# Altium PCB LED_12T-V2.0拼.PcbDoc (part 2 of 3)
Units mm, origin at the board's own origin, x right, y up, seen from the top; angles counter-clockwise.
Board outline 152.4 x 101.6 mm, 2 copper layers (Top Layer, Bottom Layer); 148 components, 0 nets, 404 pads, 276 vias.
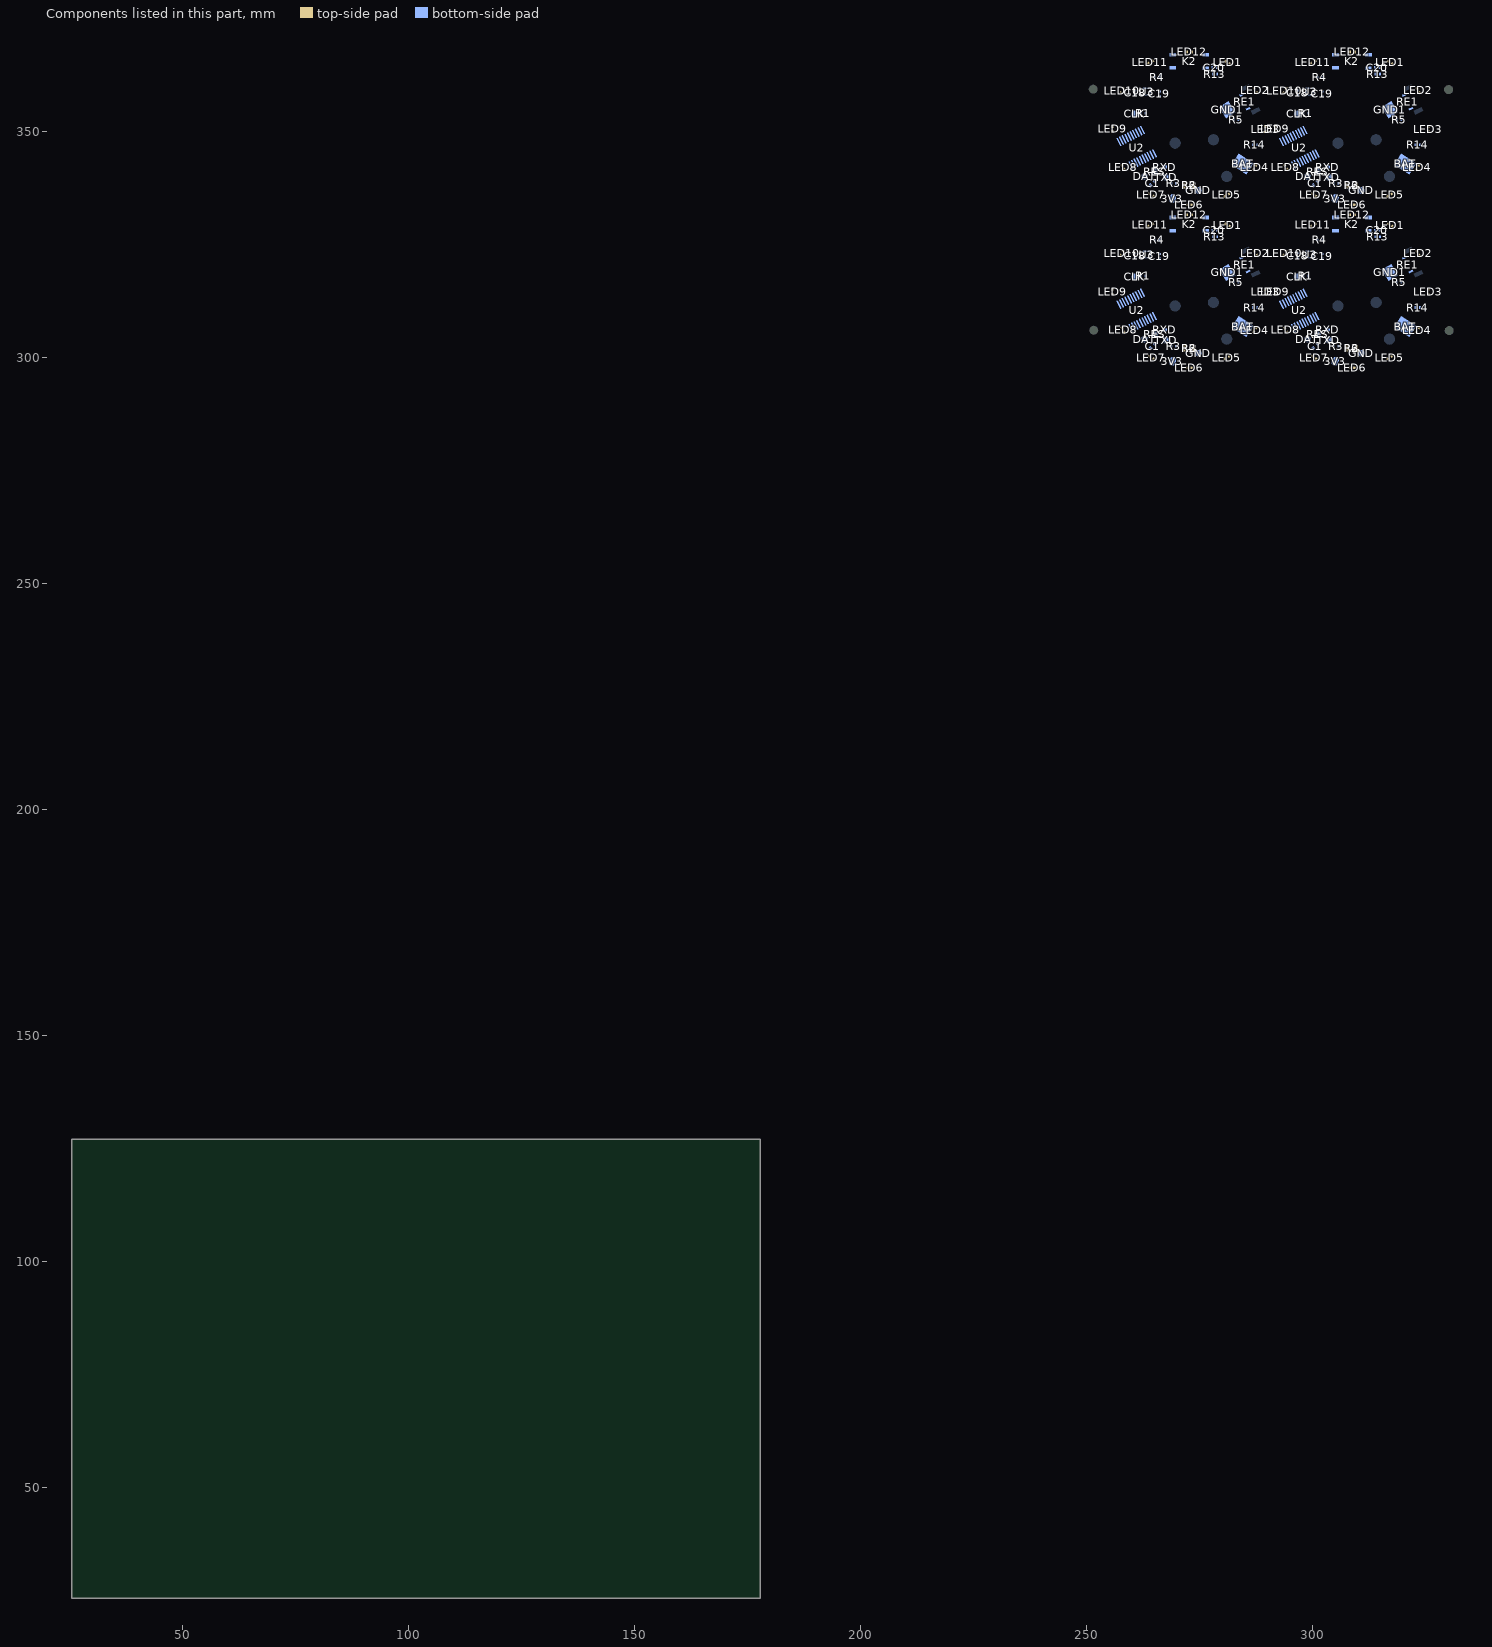
[diagram p2: the components of this part, seen from the top]

## Via types
v1: diameter 0.5, hole 0.3, Top Layer to Bottom Layer, 220 vias
v2: diameter 1.2, hole 0.7, Top Layer to Bottom Layer, 32 vias
v3: diameter 0.7, hole 0.7, Top Layer to Bottom Layer, 24 vias

## Nets (pads, with @x,y where several pads share a name; then routed paths per layer and width w, separated by ;. In a path a pad name is that pad's centre, name@x,y a point inside that pad or via, vN(x,y) a via of type N, cw(c..) or ccw(c..) an arc to the next point about the centre after c; other vN are vias at no path point) (continued)
copper on no net: (continued)
  Bottom Layer w0.25: 257.116,311.623 256.81,311.623 256.81,317.614 258.918,319.722 258.918,323.56 260.392,325.033 264.151,325.033 264.726,324.458 264.726,323.306 264.405,322.985 264.084,322.985 ; 257.116,347.623 256.81,347.623 256.81,353.614 258.918,355.722 258.918,359.56 260.392,361.033 264.151,361.033 264.726,360.458 264.726,359.306 264.405,358.985 264.084,358.985 ; v1(257.572,309.31) 259.81,309.31 260.259,309.759 263.452,309.759 263.744,310.051 264.602,310.051 264.961,309.691 264.961,309.111 265.675,308.397 v1(265.675,307.888) ; v1(257.572,345.31) 259.81,345.31 260.259,345.759 263.452,345.759 263.744,346.051 264.602,346.051 264.961,345.691 264.961,345.111 265.675,344.397 v1(265.675,343.888) ; v1(257.588,319.501) 257.588,319.543 258.254,320.209 258.254,323.771 259.093,324.611 v1(259.093,324.892) ; v1(257.588,355.501) 257.588,355.543 258.254,356.209 258.254,359.771 259.093,360.611 v1(259.093,360.892) ; 257.695,311.918 258.07,310.911 v1(258.537,310.606) ; 257.695,347.918 258.07,346.911 v1(258.537,346.606) ; 257.885,313.042 257.352,313.575 257.352,317.296 260.263,320.207 260.958,320.207 260.967,320.198 268.799,320.198 272.206,323.605 277.298,323.605 v1@278.215,324.523 ; 257.885,349.042 257.352,349.575 257.352,353.296 260.263,356.207 260.958,356.207 260.967,356.198 268.799,356.198 272.206,359.605 277.298,359.605 v1@278.215,360.523 ; v1@258.008,315.552 258.804,315.552 260.124,314.232 260.124,314.213 ; v1@258.008,351.552 258.804,351.552 260.124,350.232 260.124,350.213 ; v1(258.508,317.447) 258.508,317.589 260.27,319.351 ; v1(258.508,353.447) 258.508,353.589 260.27,355.351 ; v1@258.537,317.585 260.699,319.747 269.001,319.747 ; v1@258.537,353.585 260.699,355.747 269.001,355.747 ; 258.853,312.508 259.228,311.764 259.922,311.368 260.379,310.911 262.373,310.911 v1(262.5,310.784) ; 258.853,348.508 259.228,347.764 259.922,347.368 260.379,346.911 262.373,346.911 v1(262.5,346.784) ; 259.432,312.803 259.807,312.068 259.858,312.068 260.566,311.361 263.066,311.361 ; 259.432,348.803 259.807,348.068 259.858,348.068 260.566,347.361 263.066,347.361 ; 259.749,306.455 258.345,306.455 256.785,308.015 256.785,309.514 257.242,309.971 258.944,309.971 259.182,310.209 263.075,310.209 263.574,310.707 266.939,310.707 270.272,307.374 270.272,301.817 269.028,301.817 268.741,302.104 268.741,302.464 ; 259.749,342.455 258.345,342.455 256.785,344.015 256.785,345.514 257.242,345.971 258.944,345.971 259.182,346.209 263.075,346.209 263.574,346.707 266.939,346.707 270.272,343.374 270.272,337.817 269.028,337.817 268.741,338.104 268.741,338.464 ; v1(259.782,321.121) 259.782,323.534 260.646,324.398 263.092,324.398 263.575,323.915 263.575,323.494 ; v1(259.782,357.121) 259.782,359.534 260.646,360.398 263.092,360.398 263.575,359.915 263.575,359.494 ; 260.012,313.098 260.386,312.323 260.899,311.811 262.76,311.811 263.327,312.377 ; 260.012,349.098 260.386,348.323 260.899,347.811 262.76,347.811 263.327,348.377 ; 260.328,306.75 260.671,306.407 260.671,305.78 ; 260.328,342.75 260.671,342.407 260.671,341.78 ; v1(260.341,309.006) 262.27,309.006 262.645,307.93 ; v1(260.341,345.006) 262.27,345.006 262.645,343.93 ; 260.48,317.214 260.721,316.974 260.721,314.429 ; 260.48,353.214 260.721,352.974 260.721,350.429 ; 260.591,313.393 260.965,312.628 ; 260.591,349.393 260.965,348.628 ; 260.671,302.681 260.671,305.78 ; 260.671,338.681 260.671,341.78 ; 260.693,323.041 260.91,323.041 261.219,323.351 261.807,323.351 262.081,323.077 ; 260.693,359.041 260.91,359.041 261.219,359.351 261.807,359.351 262.081,359.077 ; 260.701,322.995 261.331,322.995 ; 260.701,358.995 261.331,358.995 ; 260.702,321.992 261.306,321.992 ; 260.702,357.992 261.306,357.992 ; 260.735,305.715 260.735,305.951 ; 260.735,341.715 260.735,341.951 ; 260.782,321.936 261.011,321.936 261.334,321.614 ; 260.782,357.936 261.011,357.936 261.334,357.614 ; 260.827,303.298 262.107,302.017 263.431,302.017 ; 260.827,339.298 262.107,338.017 263.431,338.017 ; v1(260.925,305.526) 260.671,305.78 ; v1(260.925,341.526) 260.671,341.78 ; 261.038,322.909 261.272,323.143 v1@261.467,323.143 ; 261.038,358.909 261.272,359.143 v1@261.467,359.143 ; 261.135,323.13 261.896,323.13 ; 261.135,359.13 261.896,359.13 ; 261.17,313.688 260.823,314.423 260.823,317.007 261.027,317.21 261.306,317.21 261.984,317.413 261.984,317.995 261.984,318.119 ; 261.17,349.688 260.823,350.423 260.823,353.007 261.027,353.21 261.306,353.21 261.984,353.413 261.984,353.995 261.984,354.119 ; 261.229,311.811 262.768,311.811 271.731,320.774 v1@274.106,320.774 ; 261.229,347.811 262.768,347.811 271.731,356.774 v1@274.106,356.774 ; 261.355,321.619 261.604,321.619 261.796,321.811 ; 261.355,357.619 261.604,357.619 261.796,357.811 ; v1(261.408,316.6) 261.408,314.718 261.749,313.983 ; v1(261.408,352.6) 261.408,350.718 261.749,349.983 ; v1@261.417,321.881 261.306,321.992 ; v1@261.417,357.881 261.306,357.992 ; v1(261.56,323.223) 261.331,322.995 ; v1(261.56,359.223) 261.331,358.995 ; v1(262.159,321.223) 262.398,321.223 263.074,321.477 263.074,321.976 ; v1(262.159,357.223) 262.398,357.223 263.074,357.477 263.074,357.976 ; 262.253,302.573 263.059,302.681 263.8,301.94 ; 262.253,338.573 263.059,338.681 263.8,337.94 ; 262.328,314.278 262.667,314.278 ; 262.328,350.278 262.667,350.278 ; 262.437,314.24 263.307,314.24 ; 262.437,350.24 263.307,350.24 ; 262.473,304.31 262.822,304.31 v1@262.822,304.033 ; 262.473,340.31 262.822,340.31 v1@262.822,340.033 ; 262.503,302.523 263.907,302.523 264.105,302.325 ; 262.503,338.523 263.907,338.523 264.105,338.325 ; 262.573,322.482 262.573,322.722 262.576,322.724 262.576,322.985 261.62,322.985 261.611,322.995 261.331,322.995 ; 262.573,358.482 262.573,358.722 262.576,358.724 262.576,358.985 261.62,358.985 261.611,358.995 261.331,358.995 ; 262.576,321.97 261.633,321.97 261.611,321.992 261.306,321.992 ; 262.576,357.97 261.633,357.97 261.611,357.992 261.306,357.992 ; 262.664,314.073 262.686,314.051 263.156,314.051 ; 262.664,350.073 262.686,350.051 263.156,350.051 ; 262.751,313.495 262.756,313.495 269,319.738 ; 262.751,349.495 262.756,349.495 269,355.738 ; 262.821,313.792 262.821,313.855 ; 262.821,349.792 262.821,349.855 ; 262.874,311.359 263.27,311.359 272.093,320.182 274.698,320.182 v1@275.044,320.529 ; 262.874,347.359 263.27,347.359 272.093,356.182 274.698,356.182 v1@275.044,356.529 ; 262.907,313.878 262.907,313.898 ; 262.907,349.878 262.907,349.898 ; 262.978,317.994 262.978,316.626 v1(262.982,315.61) ; 262.978,353.994 262.978,352.626 v1(262.982,351.61) ; 263.074,323.492 263.074,323.103 263.689,322.487 264.082,322.487 265.354,322.487 265.687,322.821 ; 263.074,359.492 263.074,359.103 263.689,358.487 264.082,358.487 265.354,358.487 265.687,358.821 ; v1@263.23,325.919 263.246,325.935 265.122,325.935 ; v1@263.23,361.919 263.246,361.935 265.122,361.935 ; 263.24,308.221 264.274,306.271 264.94,305.024 264.947,305.011 264.984,305.011 v1@265.062,305.089 ; 263.24,344.221 264.274,342.271 264.94,341.024 264.947,341.011 264.984,341.011 v1@265.062,341.089 ; v1@263.246,326.098 263.279,326.131 265.016,326.131 265.048,326.098 265.056,326.098 ; v1@263.246,362.098 263.279,362.131 265.016,362.131 265.048,362.098 265.056,362.098 ; v1@263.287,325.813 264.967,325.813 265.024,325.756 ; v1@263.287,361.813 264.967,361.813 265.024,361.756 ; 263.517,301.941 263.8,301.94 ; 263.517,337.941 263.8,337.94 ; 263.555,307.488 264.265,305.792 v1@264.947,305.11 ; 263.555,343.488 264.265,341.792 v1@264.947,341.11 ; 263.803,308.52 264.202,307.785 264.526,307.461 264.526,306.866 265.041,306.351 265.636,306.351 265.91,306.077 267.311,306.077 v1(268.062,306.828) ; 263.803,344.52 264.202,343.785 264.526,343.461 264.526,342.866 265.041,342.351 265.636,342.351 265.91,342.077 267.311,342.077 v1(268.062,342.828) ; v1@263.998,324.399 264.088,324.309 264.088,323.532 ; v1@263.998,360.399 264.088,360.309 264.088,359.532 ; 264.017,303.968 264.017,303.976 264.288,303.976 264.288,303.773 265.085,302.976 ; 264.017,339.968 264.017,339.976 264.288,339.976 264.288,339.773 265.085,338.976 ; v1@264.043,324.503 264.166,324.38 264.166,323.532 264.179,323.519 264.166,323.519 ; v1@264.043,360.503 264.166,360.38 264.166,359.532 264.179,359.519 264.166,359.519 ; 264.075,321.97 264.989,321.97 265.141,321.818 266.082,321.818 ; 264.075,357.97 264.989,357.97 265.141,357.818 266.082,357.818 ; 264.081,323.497 264.081,323.922 264.151,323.992 ; 264.081,359.497 264.081,359.922 264.151,359.992 ; 264.089,322.487 264.102,322.5 264.866,322.5 265.233,322.867 v1@265.233,322.871 ; 264.089,358.487 264.102,358.5 264.866,358.5 265.233,358.867 v1@265.233,358.871 ; 264.107,301.996 264.442,301.996 264.442,301.939 264.107,301.94 263.8,301.94 ; 264.107,337.996 264.442,337.996 264.442,337.939 264.107,337.94 263.8,337.94 ; 264.166,303.832 264.545,303.832 265.07,303.306 ; 264.166,339.832 264.545,339.832 265.07,339.306 ; 264.382,308.816 264.382,308.675 264.684,307.964 v1@265.395,307.253 ; 264.382,344.816 264.382,344.675 264.684,343.964 v1@265.395,343.253 ; 265.074,303.188 265.211,303.188 267.209,301.19 ; 265.074,339.188 265.211,339.188 267.209,337.19 ; 265.161,308.755 265.585,307.961 v1@265.597,307.967 ; 265.161,344.755 265.585,343.961 v1@265.597,343.967 ; v1@265.252,322.839 267.783,325.37 277.344,325.37 277.804,325.83 277.804,326.552 ; v1@265.252,358.839 267.783,361.37 277.344,361.37 277.804,361.83 277.804,362.552 ; v1(265.322,322.821) 265.687,322.821 ; v1(265.322,358.821) 265.687,358.821 ; v1@265.453,322.816 265.502,322.816 266.676,323.99 ; v1@265.453,358.816 265.502,358.816 266.676,359.99 ; 265.497,308.432 265.585,308.167 ; 265.497,344.432 265.585,344.167 ; 265.561,303.021 267.503,301.079 ; 265.561,339.021 267.503,337.079 ; 265.566,300.333 265.612,300.379 265.956,300.379 266.059,300.276 266.185,300.276 ; 265.566,336.333 265.612,336.379 265.956,336.379 266.059,336.276 266.185,336.276 ; 265.885,322.954 265.917,322.954 266.977,324.014 ; 265.885,358.954 265.917,358.954 266.977,360.014 ; 266.023,322.84 266.023,322.848 267.287,324.112 ; 266.023,358.84 266.023,358.848 267.287,360.112 ; v1@266.03,313.084 266.03,313.314 v1@270.163,317.448 ; v1@266.03,349.084 266.03,349.314 v1@270.163,353.448 ; v1(266.065,324.983) 266.115,325.032 266.115,325.95 ; v1(266.065,360.983) 266.115,361.032 266.115,361.95 ; 266.081,322.821 265.687,322.821 ; 266.081,358.821 265.687,358.821 ; 266.122,321.733 266.122,321.819 ; 266.122,357.733 266.122,357.819 ; 266.249,321.699 269.326,324.776 v1@276.87,324.776 ; 266.249,357.699 269.326,360.776 v1@276.87,360.776 ; v1(266.361,309.641) 268.647,307.355 268.647,305.881 269.734,304.794 269.734,302.464 ; v1(266.361,345.641) 268.647,343.355 268.647,341.881 269.734,340.794 269.734,338.464 ; 266.586,323.955 266.635,323.955 266.812,324.133 ; 266.586,359.955 266.635,359.955 266.812,360.133 ; 266.629,324.182 267.21,324.182 ; 266.629,360.182 267.21,360.182 ; 266.711,323.945 266.711,324.06 267.909,325.258 ; 266.711,359.945 266.711,360.06 267.909,361.258 ; 266.837,323.765 266.941,323.765 267.455,324.28 ; 266.837,359.765 266.941,359.765 267.455,360.28 ; 266.882,324.084 266.98,324.084 268.211,325.315 ; 266.882,360.084 266.98,360.084 268.211,361.315 ; 266.89,323.978 267.143,323.978 268.562,325.397 ; 266.89,359.978 267.143,359.978 268.562,361.397 ; 267.534,330.054 268.388,330.908 268.971,330.908 ; 267.534,366.054 268.388,366.908 268.971,366.908 ; 268.189,303.926 268.26,303.855 ; 268.189,339.926 268.26,339.855 ; 268.701,330.986 268.68,330.986 268.523,331.143 268.253,331.143 267.42,330.31 267.42,327.349 267.776,326.993 275.463,326.993 275.861,326.595 ; 268.701,366.986 268.68,366.986 268.523,367.143 268.253,367.143 267.42,366.31 267.42,363.349 267.776,362.993 275.463,362.993 275.861,362.595 ; 268.735,299.387 276.006,299.387 277.01,300.39 282.74,306.12 ; 268.735,335.387 276.006,335.387 277.01,336.39 282.74,342.12 ; 268.772,300.234 268.772,300.217 265.522,300.217 263.8,301.94 ; 268.772,336.234 268.772,336.217 265.522,336.217 263.8,337.94 ; 268.984,328.085 269.182,328.283 272.362,328.283 275.209,331.13 276.054,331.13 ; 268.984,364.085 269.182,364.283 272.362,364.283 275.209,367.13 276.054,367.13 ; 269.022,328.026 272.285,328.026 274.43,330.171 ; 269.022,364.026 272.285,364.026 274.43,366.171 ; 269.038,330.931 268.215,330.931 267.531,330.248 267.531,327.417 267.782,327.167 273.981,327.167 274.783,327.969 ; 269.038,366.931 268.215,366.931 267.531,366.248 267.531,363.417 267.782,363.167 273.981,363.167 274.783,363.969 ; 269.059,319.769 271.156,321.866 276.661,321.866 280.235,325.44 286.055,325.44 286.061,325.433 ; 269.059,355.769 271.156,357.866 276.661,357.866 280.235,361.44 286.055,361.44 286.061,361.433 ; 269.231,299.912 269.419,299.871 ; 269.231,335.912 269.419,335.871 ; 269.234,319.165 271.442,321.374 276.908,321.374 v1@279.998,324.464 ; 269.234,355.165 271.442,357.374 276.908,357.374 v1@279.998,360.464 ; 269.242,310.626 269.623,310.245 271.022,310.245 271.359,309.909 ; 269.242,346.626 269.623,346.245 271.022,346.245 271.359,345.909 ; 269.307,305.196 269.354,305.148 269.354,303.273 269.468,303.159 v1@269.468,303.149 ; 269.308,327.826 269.339,327.795 272.027,327.795 272.415,328.184 ; 269.307,341.196 269.354,341.148 269.354,339.273 269.468,339.159 v1@269.468,339.149 ; 269.308,363.826 269.339,363.795 272.027,363.795 272.415,364.184 ; 269.33,319.288 268.439,318.398 268.422,318.398 262.285,312.261 261.362,312.261 ; 269.33,355.288 268.439,354.398 268.422,354.398 262.285,348.261 261.362,348.261 ; 269.459,328.066 272.107,328.066 272.208,328.167 ; 269.459,364.066 272.107,364.066 272.208,364.167 ; 269.487,305.016 269.515,304.987 v1@269.515,303.443 ; 269.487,341.016 269.515,340.987 v1@269.515,339.443 ; v1(269.506,303.339) 269.563,303.282 v1@269.714,303.282 ; v1(269.506,339.339) 269.563,339.282 v1@269.714,339.282 ; v1@269.515,303.396 269.515,302.95 269.667,302.799 269.667,302.581 ; v1@269.515,339.396 269.515,338.95 269.667,338.799 269.667,338.581 ; 269.661,310.798 270.51,310.798 272.042,309.265 272.042,304.266 271.276,303.5 271.276,303.37 ; 269.661,346.798 270.51,346.798 272.042,345.265 272.042,340.266 271.276,339.5 271.276,339.37 ; v1(269.683,309.508) 270.839,308.352 v1(270.839,305.702) ; v1(269.683,345.508) 270.839,344.352 v1(270.839,341.702) ; v1@270.315,322.463 271.964,324.112 276.954,324.112 278.723,325.881 279.428,325.881 v1@281.645,328.097 ; v1@270.315,358.463 271.964,360.112 276.954,360.112 278.723,361.881 279.428,361.881 v1@281.645,364.097 ; 270.34,310.493 270.482,310.351 270.845,310.351 ; 270.34,346.493 270.482,346.351 270.845,346.351 ; 270.491,310.573 270.642,310.422 270.642,310.36 ; 270.491,346.573 270.642,346.422 270.642,346.36 ; 270.888,303.287 270.888,302.138 271.125,301.901 271.362,301.901 271.562,302.101 ; 270.888,339.287 270.888,338.138 271.125,337.901 271.362,337.901 271.562,338.101 ; v1@270.899,303.68 270.899,303.244 271.41,302.733 271.41,302.619 ; v1@270.899,339.68 270.899,339.244 271.41,338.733 271.41,338.619 ; 270.915,302.267 270.915,301.682 271.135,301.462 271.396,301.462 271.534,301.601 271.552,301.601 ; 270.915,338.267 270.915,337.682 271.135,337.462 271.396,337.462 271.534,337.601 271.552,337.601 ; v1@271.003,303.742 271.003,303.753 271.014,303.764 271.415,303.764 ; v1@271.003,339.742 271.003,339.753 271.014,339.764 271.415,339.764 ; v1(271.012,303.652) 271.012,303.424 271.562,302.875 271.562,302.581 ; v1(271.012,339.652) 271.012,339.424 271.562,338.875 271.562,338.581 ; 271.089,301.723 271.1,301.711 271.401,301.711 ; 271.089,337.723 271.1,337.711 271.401,337.711 ; v1@271.116,303.595 271.581,303.131 271.581,302.894 ; v1@271.116,339.595 271.581,339.131 271.581,338.894 ; 271.125,302.005 271.125,303.094 271.132,303.101 ; 271.125,338.005 271.125,339.094 271.132,339.101 ; v1(271.187,331.485) v1(274.438,331.485) ; v1(271.187,367.485) v1(274.438,367.485) ; 271.258,301.975 271.258,302.931 271.273,302.946 ; 271.258,337.975 271.258,338.931 271.273,338.946 ; 271.371,302.642 271.371,302.675 271.564,302.868 271.564,303.753 ; 271.371,338.642 271.371,338.675 271.564,338.868 271.564,339.753 ; 271.448,303.517 271.454,303.511 271.454,303.462 ; 271.448,339.517 271.454,339.511 271.454,339.462 ; 273.392,301.166 274.119,301.893 274.119,302.066 ; 273.392,337.166 274.119,337.893 274.119,338.066 ; 273.683,327.969 274.783,327.969 ; 273.683,363.969 274.783,363.969 ; 273.783,301.242 274.011,301.242 274.217,301.448 ; 273.783,337.242 274.011,337.242 274.217,337.448 ; 273.895,302.08 273.904,302.08 ; 273.895,302.421 273.904,302.421 ; 273.895,338.08 273.904,338.08 ; 273.895,338.421 273.904,338.421 ; 273.924,301.361 273.935,301.35 273.935,301.318 ; 273.924,337.361 273.935,337.35 273.935,337.318 ; 273.969,329.634 273.992,329.658 v1@274.963,329.658 ; 273.969,365.634 273.992,365.658 v1@274.963,365.658 ; 274.027,302.09 274.113,302.09 274.207,302.09 ; 274.027,338.09 274.113,338.09 274.207,338.09 ; 274.086,329.815 v1@274.806,329.815 ; 274.086,365.815 v1@274.806,365.815 ; 274.179,302.203 274.179,302.198 274.255,302.198 274.285,302.168 274.207,302.09 ; 274.179,338.203 274.179,338.198 274.255,338.198 274.285,338.168 274.207,338.09 ; 274.321,301.843 274.321,301.872 274.33,301.872 ; 274.321,337.843 274.321,337.872 274.33,337.872 ; 274.368,302.09 274.318,302.09 274.207,302.09 ; 274.368,338.09 274.318,338.09 274.207,338.09 ; 274.399,329.987 274.423,329.963 274.642,329.963 ; 274.399,365.987 274.423,365.963 274.642,365.963 ; 274.52,301.578 274.52,301.588 274.52,301.871 274.311,302.08 274.198,302.08 ; 274.52,337.578 274.52,337.588 274.52,337.871 274.311,338.08 274.198,338.08 ; 274.556,330.049 275.503,330.997 275.558,330.997 ; 274.556,366.049 275.503,366.997 275.558,366.997 ; v1(274.634,300.905) 273.904,301.635 273.904,302.08 ; v1(274.634,336.905) 273.904,337.635 273.904,338.08 ; 274.658,330.026 275.542,330.911 275.699,330.911 ; 274.658,366.026 275.542,366.911 275.699,366.911 ; v1@274.671,301.105 274.903,301.105 ; v1@274.671,337.105 274.903,337.105 ; v1@274.783,329.901 275.73,330.848 276.231,330.848 ; v1@274.783,365.901 275.73,366.848 276.231,366.848 ; v1@274.877,329.783 275.918,330.825 275.957,330.825 ; v1@274.877,365.783 275.918,366.825 275.957,366.825 ; v1(274.895,329.707) 274.43,330.171 ; v1(274.895,365.707) 274.43,366.171 ; 274.903,301.181 274.903,301.105 ; 274.903,337.181 274.903,337.105 ; v1@274.955,329.681 276.075,330.801 276.075,330.809 ; v1@274.955,365.681 276.075,366.801 276.075,366.809 ; 275.063,300.831 275.073,300.831 275.073,301.105 274.903,301.105 ; 275.063,336.831 275.073,336.831 275.073,337.105 274.903,337.105 ; 275.132,330.499 275.162,330.469 278.053,330.469 ; 275.132,366.498 275.162,366.469 278.053,366.469 ; 275.162,330.311 278.161,330.311 278.506,329.966 ; 275.162,366.311 278.161,366.311 278.506,365.966 ; v1(275.962,326.354) 275.962,327.969 ; v1(275.962,362.354) 275.962,363.969 ; 276.301,327.969 275.962,327.969 ; 276.301,363.969 275.962,363.969 ; v1(276.432,302.199) 276.432,304.247 279.814,307.63 279.814,308.347 279.996,308.528 v1@279.996,309.453 ; v1(276.432,338.199) 276.432,340.247 279.814,343.63 279.814,344.347 279.996,344.528 v1@279.996,345.453 ; 276.44,330.776 276.543,330.673 277.835,330.673 278.825,329.682 278.825,326.633 ; 276.44,366.776 276.543,366.673 277.835,366.673 278.825,365.682 278.825,362.633 ; 276.681,328.108 276.711,328.139 277.764,328.139 ; 276.681,328.139 276.782,328.24 277.622,328.24 ; 276.681,364.108 276.711,364.139 277.764,364.139 ; 276.681,364.139 276.782,364.24 277.622,364.24 ; 276.883,327.703 276.883,327.708 277.258,328.083 ; 276.883,363.703 276.883,363.708 277.258,364.083 ; 276.949,327.602 277.258,327.911 277.521,327.911 277.718,328.108 277.718,328.134 ; 276.949,363.602 277.258,363.911 277.521,363.911 277.718,364.108 277.718,364.134 ; 277.042,330.793 277.473,330.793 278.818,329.447 278.818,326.748 ; 277.042,366.793 277.473,366.793 278.818,365.447 278.818,362.748 ; 277.056,331.188 277.496,330.747 277.496,330.732 ; 277.056,367.188 277.496,366.747 277.496,366.732 ; 277.155,330.548 277.421,330.548 278.783,329.186 ; 277.155,366.548 277.421,366.548 278.783,365.186 ; 277.599,325.625 277.599,325.63 277.961,325.992 277.961,326.432 ; 277.599,361.625 277.599,361.63 277.961,361.992 277.961,362.432 ; 277.807,330.828 277.843,330.828 278.802,329.869 ; 277.807,366.828 277.843,366.828 278.802,365.869 ; 278.881,326.646 278.881,330.053 278.019,330.915 276.318,330.915 275.174,330.915 274.43,330.171 ; 278.881,362.646 278.881,366.053 278.019,366.915 276.318,366.915 275.174,366.915 274.43,366.171 ; v1(279.924,300.09) 281.524,300.09 ; v1(279.924,336.09) 281.524,336.09 ; v2(280.323,318.85) 280.753,318.85 v2(281.35,319.446) 283.951,322.048 284.273,322.048 ; v2(280.323,354.85) 280.753,354.85 v2(281.35,355.446) 283.951,358.048 284.273,358.048 ; v1@280.463,308.077 280.755,308.369 280.755,314.72 282.617,316.582 ; v1@280.463,344.077 280.755,344.369 280.755,350.72 282.617,352.582 ; 281.086,318.767 281.364,318.767 281.808,318.323 v2(282.168,318.323) ; 281.086,354.767 281.364,354.767 281.808,354.323 v2(282.168,354.323) ; v2@282.018,318.73 282.124,318.836 282.124,320.124 ; v2@282.018,354.73 282.124,354.836 282.124,356.124 ; v2(283.585,306.558) 283.177,306.558 282.74,306.12 ; v2(283.585,342.558) 283.177,342.558 282.74,342.12 ; 283.61,316.582 283.61,320.083 v1(284.079,320.552) ; 283.61,352.582 283.61,356.083 v1(284.079,356.552) ; 283.645,316.647 283.652,316.647 283.689,316.685 283.689,319.975 v1@284.181,320.467 ; 283.645,352.647 283.652,352.647 283.689,352.685 283.689,355.975 v1@284.181,356.467 ; v2(284.374,307.783) 284.42,307.737 284.42,306.787 284.475,306.787 ; v2(284.374,343.783) 284.42,343.737 284.42,342.787 284.475,342.787 ; v1@284.495,317.094 284.495,316.104 287.708,312.892 287.708,310.989 ; v1@284.495,353.094 284.495,352.104 287.708,348.892 287.708,346.989 ; v1@284.566,316.946 284.545,316.946 284.503,316.988 284.503,318.176 285.233,318.906 ; v1@284.566,352.946 284.545,352.946 284.503,352.988 284.503,354.176 285.233,354.906 ; 284.597,318.051 284.597,318.061 285.389,318.853 ; 284.597,354.051 284.597,354.061 285.389,354.853 ; v1(284.649,317.032) 284.649,317.929 285.702,318.982 ; v1(284.649,353.032) 284.649,353.929 285.702,354.982 ; 284.655,317.547 284.655,317.538 284.744,317.449 284.744,315.851 284.813,315.782 ; 284.655,353.547 284.655,353.538 284.744,353.449 284.744,351.851 284.813,351.782 ; v1@284.764,317.051 284.764,317.905 285.587,318.728 ; v1@284.764,353.051 284.764,353.905 285.587,354.728 ; v2@285.997,307.184 285.997,307.278 286.289,307.569 ; v2@285.997,343.184 285.997,343.278 286.289,343.569 ; v2@286.164,307.028 286.185,307.028 286.466,307.309 286.466,307.82 ; v2@286.164,343.028 286.185,343.028 286.466,343.309 286.466,343.82 ; 286.456,306.85 286.654,307.048 286.654,310.977 ; 286.456,342.85 286.654,343.048 286.654,346.977 ; 286.714,310.99 286.714,308.227 v2(285.616,307.128) 285.396,307.128 285.055,306.787 284.475,306.787 ; 286.714,346.99 286.714,344.227 v2(285.616,343.128) 285.396,343.128 285.055,342.787 284.475,342.787 ; 293.116,311.623 292.81,311.623 292.81,317.614 294.918,319.722 294.918,323.56 296.392,325.033 300.151,325.033 300.726,324.458 300.726,323.306 300.405,322.985 300.084,322.985 ; 293.116,347.623 292.81,347.623 292.81,353.614 294.918,355.722 294.918,359.56 296.392,361.033 300.151,361.033 300.726,360.458 300.726,359.306 300.405,358.985 300.084,358.985 ; v1(293.572,309.31) 295.81,309.31 296.259,309.759 299.452,309.759 299.744,310.051 300.602,310.051 300.961,309.691 300.961,309.111 301.675,308.397 v1(301.675,307.888) ; v1(293.572,345.31) 295.81,345.31 296.259,345.759 299.452,345.759 299.744,346.051 300.602,346.051 300.961,345.691 300.961,345.111 301.675,344.397 v1(301.675,343.888) ; v1(293.588,319.501) 293.588,319.543 294.254,320.209 294.254,323.771 295.093,324.611 v1(295.093,324.892) ; v1(293.588,355.501) 293.588,355.543 294.254,356.209 294.254,359.771 295.093,360.611 v1(295.093,360.892) ; 293.695,311.918 294.07,310.911 v1(294.537,310.606) ; 293.695,347.918 294.07,346.911 v1(294.537,346.606) ; 293.885,313.042 293.352,313.575 293.352,317.296 296.263,320.207 296.958,320.207 296.967,320.198 304.799,320.198 308.206,323.605 313.298,323.605 v1@314.215,324.523 ; 293.885,349.042 293.352,349.575 293.352,353.296 296.263,356.207 296.958,356.207 296.967,356.198 304.799,356.198 308.206,359.605 313.298,359.605 v1@314.215,360.523 ; v1@294.008,315.552 294.804,315.552 296.124,314.232 296.124,314.213 ; v1@294.008,351.552 294.804,351.552 296.124,350.232 296.124,350.213 ; v1(294.508,317.447) 294.508,317.589 296.27,319.351 ; v1(294.508,353.447) 294.508,353.589 296.27,355.351 ; v1@294.537,317.585 296.699,319.747 305.001,319.747 ; v1@294.537,353.585 296.699,355.747 305.001,355.747 ; 294.853,312.508 295.228,311.764 295.922,311.368 296.379,310.911 298.373,310.911 v1(298.5,310.784) ; 294.853,348.508 295.228,347.764 295.922,347.368 296.379,346.911 298.373,346.911 v1(298.5,346.784) ; 295.432,312.803 295.807,312.068 295.858,312.068 296.566,311.361 299.066,311.361 ; 295.432,348.803 295.807,348.068 295.858,348.068 296.566,347.361 299.066,347.361 ; 295.749,306.455 294.345,306.455 292.785,308.015 292.785,309.514 293.242,309.971 294.944,309.971 295.182,310.209 299.075,310.209 299.574,310.707 302.939,310.707 306.272,307.374 306.272,301.817 305.028,301.817 304.741,302.104 304.741,302.464 ; 295.749,342.455 294.345,342.455 292.785,344.015 292.785,345.514 293.242,345.971 294.944,345.971 295.182,346.209 299.075,346.209 299.574,346.707 302.939,346.707 306.272,343.374 306.272,337.817 305.028,337.817 304.741,338.104 304.741,338.464 ; v1(295.782,321.121) 295.782,323.534 296.646,324.398 299.092,324.398 299.575,323.915 299.575,323.494 ; v1(295.782,357.121) 295.782,359.534 296.646,360.398 299.092,360.398 299.575,359.915 299.575,359.494 ; 296.012,313.098 296.386,312.323 296.899,311.811 298.76,311.811 299.327,312.377 ; 296.012,349.098 296.386,348.323 296.899,347.811 298.76,347.811 299.327,348.377 ; 296.328,306.75 296.671,306.407 296.671,305.78 ; 296.328,342.75 296.671,342.407 296.671,341.78 ; v1(296.341,309.006) 298.27,309.006 298.645,307.93 ; v1(296.341,345.006) 298.27,345.006 298.645,343.93 ; 296.48,317.214 296.721,316.974 296.721,314.429 ; 296.48,353.214 296.721,352.974 296.721,350.429 ; 296.591,313.393 296.965,312.628 ; 296.591,349.393 296.965,348.628 ; 296.671,302.681 296.671,305.78 ; 296.671,338.681 296.671,341.78 ; 296.693,323.041 296.91,323.041 297.219,323.351 297.807,323.351 298.081,323.077 ; 296.693,359.041 296.91,359.041 297.219,359.351 297.807,359.351 298.081,359.077 ; 296.701,322.995 297.331,322.995 ; 296.701,358.995 297.331,358.995 ; 296.702,321.992 297.306,321.992 ; 296.702,357.992 297.306,357.992 ; 296.735,305.715 296.735,305.951 ; 296.735,341.715 296.735,341.951 ; 296.782,321.936 297.011,321.936 297.334,321.614 ; 296.782,357.936 297.011,357.936 297.334,357.614 ; 296.827,303.298 298.107,302.017 299.431,302.017 ; 296.827,339.298 298.107,338.017 299.431,338.017 ; v1(296.925,305.526) 296.671,305.78 ; v1(296.925,341.526) 296.671,341.78 ; 297.038,322.909 297.272,323.143 v1@297.467,323.143 ; 297.038,358.909 297.272,359.143 v1@297.467,359.143 ; 297.135,323.13 297.896,323.13 ; 297.135,359.13 297.896,359.13 ; 297.17,313.688 296.823,314.423 296.823,317.007 297.027,317.21 297.306,317.21 297.984,317.413 297.984,317.995 297.984,318.119 ; 297.17,349.688 296.823,350.423 296.823,353.007 297.027,353.21 297.306,353.21 297.984,353.413 297.984,353.995 297.984,354.119 ; 297.229,311.811 298.768,311.811 307.731,320.774 v1@310.106,320.774 ; 297.229,347.811 298.768,347.811 307.731,356.774 v1@310.106,356.774 ; 297.355,321.619 297.604,321.619 297.796,321.811 ; 297.355,357.619 297.604,357.619 297.796,357.811 ; v1(297.408,316.6) 297.408,314.718 297.749,313.983 ; v1(297.408,352.6) 297.408,350.718 297.749,349.983 ; v1@297.417,321.881 297.306,321.992 ; v1@297.417,357.881 297.306,357.992 ; v1(297.56,323.223) 297.331,322.995 ; v1(297.56,359.223) 297.331,358.995 ; v1(298.159,321.223) 298.398,321.223 299.074,321.477 299.074,321.976 ; v1(298.159,357.223) 298.398,357.223 299.074,357.477 299.074,357.976 ; 298.253,302.573 299.059,302.681 299.8,301.94 ; 298.253,338.573 299.059,338.681 299.8,337.94 ; 298.328,314.278 298.667,314.278 ; 298.328,350.278 298.667,350.278 ; 298.437,314.24 299.307,314.24 ; 298.437,350.24 299.307,350.24 ; 298.473,304.31 298.822,304.31 v1@298.822,304.033 ; 298.473,340.31 298.822,340.31 v1@298.822,340.033 ; 298.503,302.523 299.907,302.523 300.105,302.325 ; 298.503,338.523 299.907,338.523 300.105,338.325 ; 298.573,322.482 298.573,322.722 298.576,322.724 298.576,322.985 297.62,322.985 297.611,322.995 297.331,322.995 ; 298.573,358.482 298.573,358.722 298.576,358.724 298.576,358.985 297.62,358.985 297.611,358.995 297.331,358.995 ; 298.576,321.97 297.633,321.97 297.611,321.992 297.306,321.992 ; 298.576,357.97 297.633,357.97 297.611,357.992 297.306,357.992 ; 298.664,314.073 298.686,314.051 299.156,314.051 ; 298.664,350.073 298.686,350.051 299.156,350.051 ; 298.751,313.495 298.756,313.495 305,319.738 ; 298.751,349.495 298.756,349.495 305,355.738 ; 298.821,313.792 298.821,313.855 ; 298.821,349.792 298.821,349.855 ; 298.874,311.359 299.27,311.359 308.093,320.182 310.698,320.182 v1@311.044,320.529 ; 298.874,347.359 299.27,347.359 308.093,356.182 310.698,356.182 v1@311.044,356.529 ; 298.907,313.878 298.907,313.898 ; 298.907,349.878 298.907,349.898 ; 298.978,317.994 298.978,316.626 v1(298.982,315.61) ; 298.978,353.994 298.978,352.626 v1(298.982,351.61) ; 299.074,323.492 299.074,323.103 299.689,322.487 300.082,322.487 301.354,322.487 301.687,322.821 ; 299.074,359.492 299.074,359.103 299.689,358.487 300.082,358.487 301.354,358.487 301.687,358.821 ; v1@299.23,325.919 299.246,325.935 301.122,325.935 ; v1@299.23,361.919 299.246,361.935 301.122,361.935 ; 299.24,308.221 300.274,306.271 300.94,305.024 300.947,305.011 300.984,305.011 v1@301.062,305.089 ; 299.24,344.221 300.274,342.271 300.94,341.024 300.947,341.011 300.984,341.011 v1@301.062,341.089 ; v1@299.246,326.098 299.279,326.131 301.016,326.131 301.048,326.098 301.056,326.098 ; v1@299.246,362.098 299.279,362.131 301.016,362.131 301.048,362.098 301.056,362.098 ; v1@299.287,325.813 300.967,325.813 301.024,325.756 ; v1@299.287,361.813 300.967,361.813 301.024,361.756 ; 299.517,301.941 299.8,301.94 ; 299.517,337.941 299.8,337.94 ; 299.555,307.488 300.265,305.792 v1@300.947,305.11 ; 299.555,343.488 300.265,341.792 v1@300.947,341.11 ; 299.803,308.52 300.202,307.785 300.526,307.461 300.526,306.866 301.041,306.351 301.636,306.351 301.91,306.077 303.311,306.077 v1(304.062,306.828) ; 299.803,344.52 300.202,343.785 300.526,343.461 300.526,342.866 301.041,342.351 301.636,342.351 301.91,342.077 303.311,342.077 v1(304.062,342.828) ; v1@299.998,324.399 300.088,324.309 300.088,323.532 ; v1@299.998,360.399 300.088,360.309 300.088,359.532 ; 300.017,303.968 300.017,303.976 300.288,303.976 300.288,303.773 301.085,302.976 ; 300.017,339.968 300.017,339.976 300.288,339.976 300.288,339.773 301.085,338.976 ; v1@300.043,324.503 300.166,324.38 300.166,323.532 300.179,323.519 300.166,323.519 ; v1@300.043,360.503 300.166,360.38 300.166,359.532 300.179,359.519 300.166,359.519 ; 300.075,321.97 300.989,321.97 301.141,321.818 302.082,321.818 ; 300.075,357.97 300.989,357.97 301.141,357.818 302.082,357.818 ; 300.081,323.497 300.081,323.922 300.151,323.992 ; 300.081,359.497 300.081,359.922 300.151,359.992 ; 300.089,322.487 300.102,322.5 300.866,322.5 301.233,322.867 v1@301.233,322.871 ; 300.089,358.487 300.102,358.5 300.866,358.5 301.233,358.867 v1@301.233,358.871 ; 300.107,301.996 300.442,301.996 300.442,301.939 300.107,301.94 299.8,301.94 ; 300.107,337.996 300.442,337.996 300.442,337.939 300.107,337.94 299.8,337.94 ; 300.166,303.832 300.545,303.832 301.07,303.306 ; 300.166,339.832 300.545,339.832 301.07,339.306 ; 300.382,308.816 300.382,308.675 300.684,307.964 v1@301.395,307.253 ; 300.382,344.816 300.382,344.675 300.684,343.964 v1@301.395,343.253 ; 301.074,303.188 301.211,303.188 303.209,301.19 ; 301.074,339.188 301.211,339.188 303.209,337.19 ; 301.161,308.755 301.585,307.961 v1@301.597,307.967 ; 301.161,344.755 301.585,343.961 v1@301.597,343.967 ; v1@301.252,322.839 303.783,325.37 313.344,325.37 313.804,325.83 313.804,326.552 ; v1@301.252,358.839 303.783,361.37 313.344,361.37 313.804,361.83 313.804,362.552 ; v1(301.322,322.821) 301.687,322.821 ; v1(301.322,358.821) 301.687,358.821 ; v1@301.453,322.816 301.502,322.816 302.676,323.99 ; v1@301.453,358.816 301.502,358.816 302.676,359.99 ; 301.497,308.432 301.585,308.167 ; 301.497,344.432 301.585,344.167 ; 301.561,303.021 303.503,301.079 ; 301.561,339.021 303.503,337.079 ; 301.566,300.333 301.612,300.379 301.956,300.379 302.059,300.276 302.185,300.276 ; 301.566,336.333 301.612,336.379 301.956,336.379 302.059,336.276 302.185,336.276 ; 301.885,322.954 301.917,322.954 302.977,324.014 ; 301.885,358.954 301.917,358.954 302.977,360.014 ; 302.023,322.84 302.023,322.848 303.287,324.112 ; 302.023,358.84 302.023,358.848 303.287,360.112 ; v1@302.03,313.084 302.03,313.314 v1@306.163,317.448 ; v1@302.03,349.084 302.03,349.314 v1@306.163,353.448 ; v1(302.065,324.983) 302.115,325.032 302.115,325.95 ; v1(302.065,360.983) 302.115,361.032 302.115,361.95 ; 302.081,322.821 301.687,322.821 ; 302.081,358.821 301.687,358.821 ; 302.122,321.733 302.122,321.819 ; 302.122,357.733 302.122,357.819 ; 302.249,321.699 305.326,324.776 v1@312.87,324.776 ; 302.249,357.699 305.326,360.776 v1@312.87,360.776 ; v1(302.361,309.641) 304.647,307.355 304.647,305.881 305.734,304.794 305.734,302.464 ; v1(302.361,345.641) 304.647,343.355 304.647,341.881 305.734,340.794 305.734,338.464 ; 302.586,323.955 302.635,323.955 302.812,324.133 ; 302.586,359.955 302.635,359.955 302.812,360.133 ; 302.629,324.182 303.21,324.182 ; 302.629,360.182 303.21,360.182 ; 302.711,323.945 302.711,324.06 303.909,325.258 ; 302.711,359.945 302.711,360.06 303.909,361.258 ; 302.837,323.765 302.941,323.765 303.455,324.28 ; 302.837,359.765 302.941,359.765 303.455,360.28 ; 302.882,324.084 302.98,324.084 304.211,325.315 ; 302.882,360.084 302.98,360.084 304.211,361.315 ; 302.89,323.978 303.143,323.978 304.562,325.397 ; 302.89,359.978 303.143,359.978 304.562,361.397 ; 303.534,330.054 304.388,330.908 304.971,330.908 ; 303.534,366.054 304.388,366.908 304.971,366.908 ; 304.189,303.926 304.26,303.855 ; 304.189,339.926 304.26,339.855 ; 304.701,330.986 304.68,330.986 304.523,331.143 304.253,331.143 303.42,330.31 303.42,327.349 303.776,326.993 311.463,326.993 311.861,326.595 ; 304.701,366.986 304.68,366.986 304.523,367.143 304.253,367.143 303.42,366.31 303.42,363.349 303.776,362.993 311.463,362.993 311.861,362.595 ; 304.735,299.387 312.006,299.387 313.01,300.39 318.74,306.12 ; 304.735,335.387 312.006,335.387 313.01,336.39 318.74,342.12 ; 304.772,300.234 304.772,300.217 301.522,300.217 299.8,301.94 ; 304.772,336.234 304.772,336.217 301.522,336.217 299.8,337.94 ; 304.984,328.085 305.182,328.283 308.362,328.283 311.209,331.13 312.054,331.13 ; 304.984,364.085 305.182,364.283 308.362,364.283 311.209,367.13 312.054,367.13 ; 305.022,328.026 308.285,328.026 310.43,330.171 ; 305.022,364.026 308.285,364.026 310.43,366.171 ; 305.038,330.931 304.215,330.931 303.531,330.248 303.531,327.417 303.782,327.167 309.981,327.167 310.783,327.969 ; 305.038,366.931 304.215,366.931 303.531,366.248 303.531,363.417 303.782,363.167 309.981,363.167 310.783,363.969 ; 305.059,319.769 307.156,321.866 312.661,321.866 316.235,325.44 322.055,325.44 322.061,325.433 ; 305.059,355.769 307.156,357.866 312.661,357.866 316.235,361.44 322.055,361.44 322.061,361.433 ; 305.231,299.912 305.419,299.871 ; 305.231,335.912 305.419,335.871 ; 305.234,319.165 307.442,321.374 312.908,321.374 v1@315.998,324.464 ; 305.234,355.165 307.442,357.374 312.908,357.374 v1@315.998,360.464 ; 305.242,310.626 305.623,310.245 307.022,310.245 307.359,309.909 ; 305.242,346.626 305.623,346.245 307.022,346.245 307.359,345.909 ; 305.307,305.196 305.354,305.148 305.354,303.273 305.468,303.159 v1@305.468,303.149 ; 305.307,341.196 305.354,341.148 305.354,339.273 305.468,339.159 v1@305.468,339.149 ; 305.308,327.826 305.339,327.795 308.027,327.795 308.415,328.184 ; 305.308,363.826 305.339,363.795 308.027,363.795 308.415,364.184 ; 305.33,319.288 304.439,318.398 304.422,318.398 298.285,312.261 297.362,312.261 ; 305.33,355.288 304.439,354.398 304.422,354.398 298.285,348.261 297.362,348.261 ; 305.459,328.066 308.107,328.066 308.208,328.167 ; 305.459,364.066 308.107,364.066 308.208,364.167 ; 305.487,305.016 305.515,304.987 v1@305.515,303.443 ; 305.487,341.016 305.515,340.987 v1@305.515,339.443 ; v1(305.506,303.339) 305.563,303.282 v1@305.714,303.282 ; v1(305.506,339.339) 305.563,339.282 v1@305.714,339.282 ; v1@305.515,303.396 305.515,302.95 305.667,302.799 305.667,302.581 ; v1@305.515,339.396 305.515,338.95 305.667,338.799 305.667,338.581 ; 305.661,310.798 306.51,310.798 308.042,309.265 308.042,304.266 307.276,303.5 307.276,303.37 ; 305.661,346.798 306.51,346.798 308.042,345.265 308.042,340.266 307.276,339.5 307.276,339.37 ; v1(305.683,309.508) 306.839,308.352 v1(306.839,305.702) ; v1(305.683,345.508) 306.839,344.352 v1(306.839,341.702) ; v1@306.315,322.463 307.964,324.112 312.954,324.112 314.723,325.881 315.428,325.881 v1@317.645,328.097 ; v1@306.315,358.463 307.964,360.112 312.954,360.112 314.723,361.881 315.428,361.881 v1@317.645,364.097 ; 306.34,310.493 306.482,310.351 306.845,310.351 ; 306.34,346.493 306.482,346.351 306.845,346.351 ; 306.491,310.573 306.642,310.422 306.642,310.36 ; 306.491,346.573 306.642,346.422 306.642,346.36 ; 306.888,303.287 306.888,302.138 307.125,301.901 307.362,301.901 307.562,302.101 ; 306.888,339.287 306.888,338.138 307.125,337.901 307.362,337.901 307.562,338.101 ; v1@306.899,303.68 306.899,303.244 307.41,302.733 307.41,302.619 ; v1@306.899,339.68 306.899,339.244 307.41,338.733 307.41,338.619 ; 306.915,302.267 306.915,301.682 307.135,301.462 307.396,301.462 307.534,301.601 307.552,301.601 ; 306.915,338.267 306.915,337.682 307.135,337.462 307.396,337.462 307.534,337.601 307.552,337.601 ; v1@307.003,303.742 307.003,303.753 307.014,303.764 307.415,303.764 ; v1@307.003,339.742 307.003,339.753 307.014,339.764 307.415,339.764 ; v1(307.012,303.652) 307.012,303.424 307.562,302.875 307.562,302.581 ; v1(307.012,339.652) 307.012,339.424 307.562,338.875 307.562,338.581 ; 307.089,301.723 307.1,301.711 307.401,301.711 ; 307.089,337.723 307.1,337.711 307.401,337.711 ; v1@307.116,303.595 307.581,303.131 307.581,302.894 ; v1@307.116,339.595 307.581,339.131 307.581,338.894 ; 307.125,302.005 307.125,303.094 307.132,303.101 ; 307.125,338.005 307.125,339.094 307.132,339.101 ; v1(307.187,331.485) v1(310.438,331.485) ; v1(307.187,367.485) v1(310.438,367.485) ; 307.258,301.975 307.258,302.931 307.273,302.946 ; 307.258,337.975 307.258,338.931 307.273,338.946 ; 307.371,302.642 307.371,302.675 307.564,302.868 307.564,303.753 ; 307.371,338.642 307.371,338.675 307.564,338.868 307.564,339.753 ; 307.448,303.517 307.454,303.511 307.454,303.462 ; 307.448,339.517 307.454,339.511 307.454,339.462 ; 309.392,301.166 310.119,301.893 310.119,302.066 ; 309.392,337.166 310.119,337.893 310.119,338.066 ; 309.683,327.969 310.783,327.969 ; 309.683,363.969 310.783,363.969 ; 309.783,301.242 310.011,301.242 310.217,301.448 ; 309.783,337.242 310.011,337.242 310.217,337.448 ; 309.895,302.08 309.904,302.08 ; 309.895,302.421 309.904,302.421 ; 309.895,338.08 309.904,338.08 ; 309.895,338.421 309.904,338.421 ; 309.924,301.361 309.935,301.35 309.935,301.318 ; 309.924,337.361 309.935,337.35 309.935,337.318 ; 309.969,329.634 309.992,329.658 v1@310.963,329.658 ; 309.969,365.634 309.992,365.658 v1@310.963,365.658 ; 310.027,302.09 310.113,302.09 310.207,302.09 ; 310.027,338.09 310.113,338.09 310.207,338.09 ; 310.086,329.815 v1@310.806,329.815 ; 310.086,365.815 v1@310.806,365.815 ; 310.179,302.203 310.179,302.198 310.255,302.198 310.285,302.168 310.207,302.09 ; 310.179,338.203 310.179,338.198 310.255,338.198 310.285,338.168 310.207,338.09 ; 310.321,301.843 310.321,301.872 310.33,301.872 ; 310.321,337.843 310.321,337.872 310.33,337.872 ; 310.368,302.09 310.318,302.09 310.207,302.09 ; 310.368,338.09 310.318,338.09 310.207,338.09 ; 310.399,329.987 310.423,329.963 310.642,329.963 ; 310.399,365.987 310.423,365.963 310.642,365.963 ; 310.52,301.578 310.52,301.588 310.52,301.871 310.311,302.08 310.198,302.08 ; 310.52,337.578 310.52,337.588 310.52,337.871 310.311,338.08 310.198,338.08 ; 310.556,330.049 311.503,330.997 311.558,330.997 ; 310.556,366.049 311.503,366.997 311.558,366.997 ; v1(310.634,300.905) 309.904,301.635 309.904,302.08 ; v1(310.634,336.905) 309.904,337.635 309.904,338.08 ; 310.658,330.026 311.542,330.911 311.699,330.911 ; 310.658,366.026 311.542,366.911 311.699,366.911 ; v1@310.671,301.105 310.903,301.105 ; v1@310.671,337.105 310.903,337.105 ; v1@310.783,329.901 311.73,330.848 312.231,330.848 ; v1@310.783,365.901 311.73,366.848 312.231,366.848 ; v1@310.877,329.783 311.918,330.825 311.957,330.825 ; v1@310.877,365.783 311.918,366.825 311.957,366.825 ; v1(310.895,329.707) 310.43,330.171 ; v1(310.895,365.707) 310.43,366.171 ; 310.903,301.181 310.903,301.105 ; 310.903,337.181 310.903,337.105 ; v1@310.955,329.681 312.075,330.801 312.075,330.809 ; v1@310.955,365.681 312.075,366.801 312.075,366.809 ; 311.063,300.831 311.073,300.831 311.073,301.105 310.903,301.105 ; 311.063,336.831 311.073,336.831 311.073,337.105 310.903,337.105 ; 311.132,330.499 311.162,330.469 314.053,330.469 ; 311.132,366.498 311.162,366.469 314.053,366.469 ; 311.162,330.311 314.161,330.311 314.506,329.966 ; 311.162,366.311 314.161,366.311 314.506,365.966 ; v1(311.962,326.354) 311.962,327.969 ; v1(311.962,362.354) 311.962,363.969 ; 312.301,327.969 311.962,327.969 ; 312.301,363.969 311.962,363.969 ; v1(312.432,302.199) 312.432,304.247 315.814,307.63 315.814,308.347 315.996,308.528 v1@315.996,309.453 ; v1(312.432,338.199) 312.432,340.247 315.814,343.63 315.814,344.347 315.996,344.528 v1@315.996,345.453 ; 312.44,330.776 312.543,330.673 313.835,330.673 314.825,329.682 314.825,326.633 ; 312.44,366.776 312.543,366.673 313.835,366.673 314.825,365.682 314.825,362.633 ; 312.681,328.108 312.711,328.139 313.764,328.139 ; 312.681,328.139 312.782,328.24 313.622,328.24 ; 312.681,364.108 312.711,364.139 313.764,364.139 ; 312.681,364.139 312.782,364.24 313.622,364.24 ; 312.883,327.703 312.883,327.708 313.258,328.083 ; 312.883,363.703 312.883,363.708 313.258,364.083 ; 312.949,327.602 313.258,327.911 313.521,327.911 313.718,328.108 313.718,328.134 ; 312.949,363.602 313.258,363.911 313.521,363.911 313.718,364.108 313.718,364.134 ; 313.042,330.793 313.473,330.793 314.818,329.447 314.818,326.748 ; 313.042,366.793 313.473,366.793 314.818,365.447 314.818,362.748 ; 313.056,331.188 313.496,330.747 313.496,330.732 ; 313.056,367.188 313.496,366.747 313.496,366.732 ; 313.155,330.548 313.421,330.548 314.783,329.186 ; 313.155,366.548 313.421,366.548 314.783,365.186 ; 313.599,325.625 313.599,325.63 313.961,325.992 313.961,326.432 ; 313.599,361.625 313.599,361.63 313.961,361.992 313.961,362.432 ; 313.807,330.828 313.843,330.828 314.802,329.869 ; 313.807,366.828 313.843,366.828 314.802,365.869 ; 314.881,326.646 314.881,330.053 314.019,330.915 312.318,330.915 311.174,330.915 310.43,330.171 ; 314.881,362.646 314.881,366.053 314.019,366.915 312.318,366.915 311.174,366.915 310.43,366.171 ; v1(315.924,300.09) 317.524,300.09 ; v1(315.924,336.09) 317.524,336.09 ; v2(316.323,318.85) 316.753,318.85 v2(317.35,319.446) 319.951,322.048 320.273,322.048 ; v2(316.323,354.85) 316.753,354.85 v2(317.35,355.446) 319.951,358.048 320.273,358.048 ; v1@316.463,308.077 316.755,308.369 316.755,314.72 318.617,316.582 ; v1@316.463,344.077 316.755,344.369 316.755,350.72 318.617,352.582 ; 317.086,318.767 317.364,318.767 317.808,318.323 v2(318.168,318.323) ; 317.086,354.767 317.364,354.767 317.808,354.323 v2(318.168,354.323) ; v2@318.018,318.73 318.124,318.836 318.124,320.124 ; v2@318.018,354.73 318.124,354.836 318.124,356.124 ; v2(319.585,306.558) 319.177,306.558 318.74,306.12 ; v2(319.585,342.558) 319.177,342.558 318.74,342.12 ; 319.61,316.582 319.61,320.083 v1(320.079,320.552) ; 319.61,352.582 319.61,356.083 v1(320.079,356.552) ; 319.645,316.647 319.652,316.647 319.689,316.685 319.689,319.975 v1@320.181,320.467 ; 319.645,352.647 319.652,352.647 319.689,352.685 319.689,355.975 v1@320.181,356.467 ; v2(320.374,307.783) 320.42,307.737 320.42,306.787 320.475,306.787 ; v2(320.374,343.783) 320.42,343.737 320.42,342.787 320.475,342.787 ; v1@320.495,317.094 320.495,316.104 323.708,312.892 323.708,310.989 ; v1@320.495,353.094 320.495,352.104 323.708,348.892 323.708,346.989 ; v1@320.566,316.946 320.545,316.946 320.503,316.988 320.503,318.176 321.233,318.906 ; v1@320.566,352.946 320.545,352.946 320.503,352.988 320.503,354.176 321.233,354.906 ; 320.597,318.051 320.597,318.061 321.389,318.853 ; 320.597,354.051 320.597,354.061 321.389,354.853 ; v1(320.649,317.032) 320.649,317.929 321.702,318.982 ; v1(320.649,353.032) 320.649,353.929 321.702,354.982 ; 320.655,317.547 320.655,317.538 320.744,317.449 320.744,315.851 320.813,315.782 ; 320.655,353.547 320.655,353.538 320.744,353.449 320.744,351.851 320.813,351.782 ; v1@320.764,317.051 320.764,317.905 321.587,318.728 ; v1@320.764,353.051 320.764,353.905 321.587,354.728 ; v2@321.997,307.184 321.997,307.278 322.289,307.569 ; v2@321.997,343.184 321.997,343.278 322.289,343.569 ; v2@322.164,307.028 322.185,307.028 322.466,307.309 322.466,307.82 ; v2@322.164,343.028 322.185,343.028 322.466,343.309 322.466,343.82 ; 322.456,306.85 322.654,307.048 322.654,310.977 ; 322.456,342.85 322.654,343.048 322.654,346.977 ; 322.714,310.99 322.714,308.227 v2(321.616,307.128) 321.396,307.128 321.055,306.787 320.475,306.787 ; 322.714,346.99 322.714,344.227 v2(321.616,343.128) 321.396,343.128 321.055,342.787 320.475,342.787 ; 260.965,312.628 261.362,312.261 ; 260.965,312.628 261.333,312.261 261.362,312.261 ; 260.965,348.628 261.362,348.261 ; 260.965,348.628 261.333,348.261 261.362,348.261 ; 273.904,302.08 274.198,302.08 ; 273.904,302.08 274.031,302.028 274.113,301.995 274.198,302.08 ; 273.904,338.08 274.198,338.08 ; 273.904,338.08 274.031,338.028 274.113,337.995 274.198,338.08 ; 274.198,302.08 274.207,302.09 ; 274.198,338.08 274.207,338.09 ; 274.783,327.969 275.962,327.969 ; 274.783,363.969 275.962,363.969 ; 282.74,306.12 282.99,305.87 v2(284.911,305.87) 284.911,306.178 284.475,306.614 284.475,306.787 ; 282.74,342.12 282.99,341.87 v2(284.911,341.87) 284.911,342.178 284.475,342.614 284.475,342.787 ; 296.965,312.628 297.362,312.261 ; 296.965,312.628 297.333,312.261 297.362,312.261 ; 296.965,348.628 297.362,348.261 ; 296.965,348.628 297.333,348.261 297.362,348.261 ; 309.904,302.08 310.198,302.08 ; 309.904,302.08 310.031,302.028 310.113,301.995 310.198,302.08 ; 309.904,338.08 310.198,338.08 ; 309.904,338.08 310.031,338.028 310.113,337.995 310.198,338.08 ; 310.198,302.08 310.207,302.09 ; 310.198,338.08 310.207,338.09 ; 310.783,327.969 311.962,327.969 ; 310.783,363.969 311.962,363.969 ; 318.74,306.12 318.99,305.87 v2(320.911,305.87) 320.911,306.178 320.475,306.614 320.475,306.787 ; 318.74,342.12 318.99,341.87 v2(320.911,341.87) 320.911,342.178 320.475,342.614 320.475,342.787